# KiCad board pcb.kicad_pcb (continued)
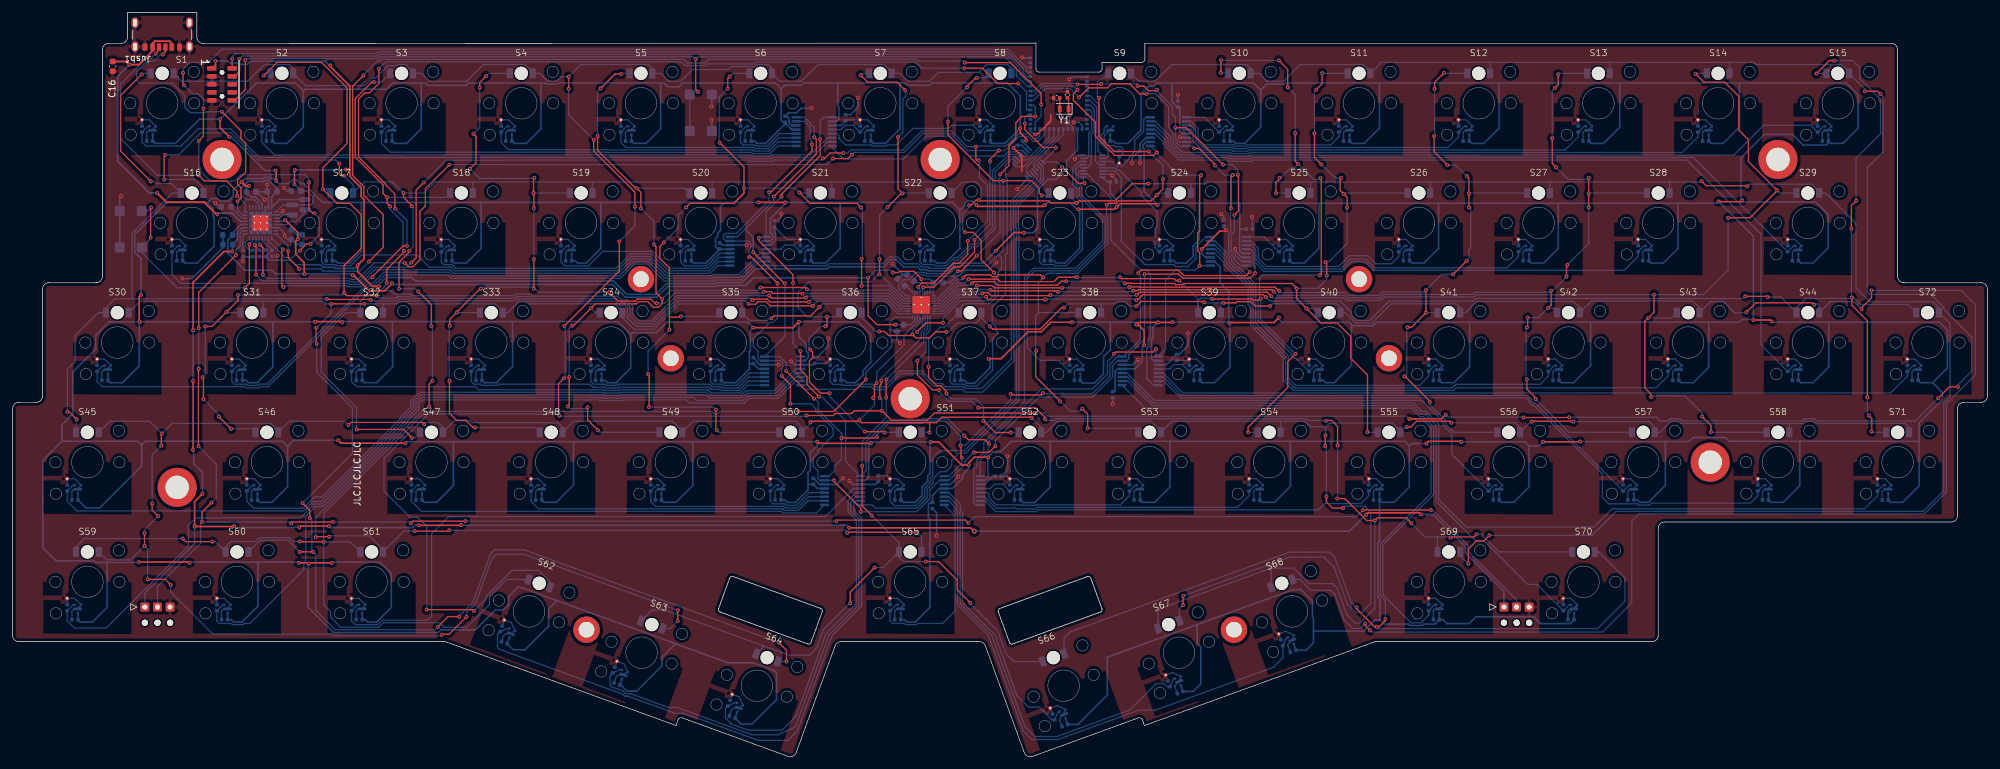
[diagram p0: board, top side]
## Routing (per net, layer and track width the routed paths; a pad name or vN(x,y) marks a point on that pad's centre or on a via; arc(x,y) is an arc through that point) (continued)
/ANA_03: length 70.4
  Bottom w0.2: MUXB1.9 121.45,96.95 120.23,95.72 117.52,95.72 117.33,95.91 115.47,95.91 115.46,95.92 94.33,95.92 94.3,95.95 59.96,95.95 58.55,97.36 Cvout3.1 59.48,100.07 TMR3.1
/ANA_04: length 51.2
  Bottom w0.2: MUXB1.10 121.54,97.6 120.06,96.12 117.69,96.12 117.5,96.31 115.63,96.31 115.62,96.32 94.49,96.32 94.46,96.35 78.72,96.35 77.55,97.53 Cvout4.1 78.48,100.07 TMR4.1
/ANA_05: length 32.2
  Bottom w0.2: TMR5.1 97.48,100.07 Cvout5.1 96.55,97.53 97.35,96.72 115.79,96.72 115.8,96.71 117.67,96.71 117.86,96.52 119.89,96.52 121.62,98.25 MUXB1.11
/ANA_06: length 13.1
  Bottom w0.2: TMR6.1 116.48,100.07 Cvout6.1 115.55,97.53 115.96,97.11 117.83,97.11 118.02,96.92 119.73,96.92 121.7,98.9 MUXB1.12
/ANA_07: length 6.8
  Bottom w0.2: MUXB1.4 131.45,99.55 132.13,100.22 133.47,100.22 Cvout7.1 135.48,100.07 TMR7.1
/ANA_08: length 27.9
  Bottom w0.2: MUXB1.5 130.85,98.9 131.18,98.57 131.18,98.17 132.24,97.11 136.26,97.11 136.45,96.92 138.73,96.92 138.92,97.11 140.28,97.11 142.89,99.72 148.61,99.72 149.12,100.23 152.46,100.23 Cvout8.1 154.48,100.07 TMR8.1
/ANA_09: length 8.6
  Bottom w0.2: Cvout9.1 173.92,96.15 ; 173.92,96.15 173.92,95.34 173.56,94.97 MUXA2.10 ; 173.92,96.15 172.71,97.37 172.71,98.56 173.3,99.15 173.3,99.8 173.57,100.07 TMR9.1
/ANA_10: length 7.7
  Bottom w0.2: MUXB5.9 189.2,101.5 Cvout10.1 192.48,100.07 TMR10.1
/ANA_11: length 29.7
  Bottom w0.2: MUXB5.10 187.1,100.85 188.2,99.75 188.2,98.08 189.17,97.11 193.83,97.11 194.02,96.92 195.73,96.92 195.92,97.11 209.26,97.11 210.55,98.4 Cvout11.1 211.48,100.07 TMR11.1
/ANA_12: length 48.7
  Bottom w0.2: TMR12.1 230.48,100.07 Cvout12.1 229.55,98.4 227.86,96.71 196.08,96.71 195.89,96.52 193.86,96.52 193.67,96.71 189.01,96.71 187.8,97.92 187.8,99.5 187.1,100.2 MUXB5.11
/ANA_13: length 67.8
  Bottom w0.2: MUXB5.12 187.1,99.55 187.4,99.25 187.4,97.75 188.84,96.31 193.5,96.31 193.69,96.12 196.06,96.12 196.25,96.31 246.46,96.31 248.55,98.4 Cvout13.1 249.48,100.07 TMR13.1
/ANA_14: length 92.8
  Bottom w0.2: MUXB5.7 181.37,100.85 183.81,98.41 183.81,97.81 185.71,95.91 193.34,95.91 193.52,95.72 196.23,95.72 196.41,95.91 265.06,95.91 267.55,98.4 Cvout14.1 268.48,100.07 TMR14.1
/ANA_15: length 112.3
  Bottom w0.2: MUXB5.6 181.37,100.2 183.41,98.16 183.41,97.65 185.55,95.51 193.17,95.51 193.36,95.32 196.39,95.32 196.58,95.51 273.27,95.51 277.99,100.22 285.47,100.22 Cvout15.1 287.48,100.07 TMR15.1
/ANA_16: length 104.9
  Bottom w0.2: TMR16.1 26.23,81.07 Cvout16.1 25.3,76.52 26.7,75.12 53.24,75.12 53.39,74.97 55.13,74.97 57.44,77.28 62.9,77.28 62.9,77.28 69.45,77.28 70.02,76.72 96.15,76.72 98.42,78.99 101.08,78.99 103.76,76.31 110.88,76.31 111.1,76.53 113.04,76.53 113.04,76.53 115.3,76.53 118.67,79.9 MUXB2.5
/ANA_17: length 72.6
  Bottom w0.2: MUXB2.9 111.95,77.95 110.71,76.71 103.93,76.71 101.24,79.39 98.26,79.39 95.99,77.12 70.18,77.12 69.6,77.7 66.15,77.7 64.22,79.63 55.37,79.63 53.66,77.92 51.45,77.92 51.26,78.11 49.46,78.11 49.05,78.53 Cvout17.1 49.98,81.07 TMR17.1
/ANA_18: length 52.1
  Bottom w0.2: TMR18.1 68.98,81.07 Cvout18.1 68.05,78.53 68.47,78.1 69.77,78.1 70.35,77.52 95.82,77.52 98.09,79.79 101.46,79.79 104.14,77.12 110.56,77.12 112.04,78.6 MUXB2.10
/ANA_19: length 33.1
  Bottom w0.2: TMR19.1 87.98,81.07 Cvout19.1 87.05,78.53 87.65,77.92 91.42,77.92 93.69,80.19 101.63,80.19 104.3,77.52 110.39,77.52 112.12,79.25 MUXB2.11
/ANA_20: length 12.1
  Bottom w0.2: MUXB2.12 112.2,79.9 110.23,77.92 106.65,77.92 106.05,78.53 Cvout20.1 106.98,81.07 TMR20.1
/ANA_21: length 7.8
  Bottom w0.2: MUXB2.4 121.95,80.55 122.63,81.22 123.97,81.22 Cvout21.1 125.98,81.07 TMR21.1
/ANA_22: length 32.6
  Bottom w0.2: TMR22.1 144.98,81.07 Cvout22.1 144.05,78.53 144.46,78.11 146.33,78.11 146.52,77.92 148.23,77.92 149.47,79.16 149.95,79.16 152.13,81.34 152.13,81.34 152.17,81.38 152.98,81.38 155.56,83.96 155.56,92.96 155.56,92.96 155.56,92.98 158.18,95.6 159.33,95.6 159.59,95.86 159.97,95.86 MUXA1.13
/ANA_23: length 27
  Bottom w0.2: MUXA2.6 169.34,94.47 168.31,93.44 168.31,90.83 168.95,90.19 168.95,88.77 169.82,87.9 169.82,80.52 167.22,77.92 165.53,77.92 165.33,78.11 163.46,78.11 163.05,78.53 Cvout23.1 163.98,81.07 TMR23.1
/ANA_24: length 20.3
  Bottom w0.2: MUXA2.13 174.98,93.47 175.34,93.12 175.67,93.12 179.2,89.59 179.2,89.05 181.68,86.58 181.68,84.1 181.39,83.82 181.39,80.8 Cvout24.1 182.98,81.07 TMR24.1
/ANA_25: length 7.9
  Bottom w0.2: 198.7,82.5 198.78,82.41 ; 198.7,82.5 MUXB6.9 ; 198.7,82.5 198.78,82.41 ; 198.78,82.41 Cvout25.1 201.98,81.07 TMR25.1
/ANA_26: length 30.9
  Bottom w0.2: MUXB6.10 196.6,81.85 197.75,80.7 197.75,79.1 199.04,77.81 210.54,77.81 212.25,79.52 215.12,79.52 216.41,78.22 218.87,78.22 220.05,79.4 Cvout26.1 220.98,81.07 TMR26.1
/ANA_27: length 49.9
  Bottom w0.2: MUXB6.11 196.6,81.2 197.35,80.45 197.35,78.94 198.87,77.41 210.83,77.41 212.4,78.98 214.82,78.98 216.21,77.59 237.24,77.59 239.05,79.4 Cvout27.1 239.98,81.07 TMR27.1
/ANA_28: length 68.9
  Bottom w0.2: TMR28.1 258.98,81.07 Cvout28.1 258.05,79.4 255.84,77.19 216.04,77.19 214.65,78.58 212.57,78.58 211,77.01 198.71,77.01 196.95,78.77 196.95,80.12 196.52,80.55 MUXB6.12
/ANA_29: length 111.2
  Bottom w0.2: MUXB5.5 181.37,99.55 183.01,97.91 183.01,97.48 185.38,95.11 193.01,95.11 193.19,94.92 196.56,94.92 196.74,95.11 266.84,95.11 Cvout29.1 282.73,81.07 TMR29.1
/ANA_30: length 120.8
  Bottom w0.2: TMR30.1 14.35,62.07 Cvout30.1 13.43,59.53 14.24,58.71 36.92,58.71 37.11,58.52 39.14,58.52 39.33,58.71 40.57,58.71 42.56,60.7 42.56,60.7 56.61,74.75 57.37,74.75 59.1,76.48 63.23,76.48 63.23,76.48 69.13,76.48 69.68,75.92 96.48,75.92 98.76,78.19 100.74,78.19 103.43,75.51 111.21,75.51 111.36,75.66 115.57,75.66 118.5,78.6 MUXB2.7
/ANA_31: length 99.4
  Bottom w0.2: TMR31.1 35.73,62.07 Cvout31.1 34.8,59.53 35.21,59.11 37.08,59.11 37.27,58.92 38.98,58.92 39.17,59.11 40.4,59.11 56.44,75.15 57.2,75.15 58.93,76.88 63.06,76.88 63.06,76.88 69.29,76.88 69.85,76.32 96.32,76.32 98.59,78.59 100.91,78.59 103.6,75.91 111.04,75.91 111.2,76.06 115.4,76.06 118.58,79.25 MUXB2.6
/ANA_32: length 70.1
  Bottom w0.2: TMR32.1 54.73,62.07 Cvout32.1 53.8,59.53 54.61,58.71 73.05,58.71 73.05,58.71 73.48,58.71 73.96,58.22 91.97,58.22 91.97,58.22 93.84,58.22 93.94,58.12 96.31,58.12 96.41,58.22 110.4,58.22 110.91,57.72 115.48,57.72 116.7,58.95 MUXB3.9
/ANA_33: length 51.2
  Bottom w0.2: TMR33.1 73.73,62.07 Cvout33.1 72.8,59.53 73.21,59.11 74.27,59.11 74.46,58.92 76.97,58.92 77.17,59.11 91.65,59.11 92.14,58.62 94,58.62 94.11,58.52 95.74,58.52 96.14,58.52 96.24,58.62 106.13,58.62 106.13,58.62 110.57,58.62 110.88,58.31 112.18,58.31 112.37,58.12 115.31,58.12 116.79,59.6 MUXB3.10
/ANA_34: length 32.1
  Bottom w0.2: TMR34.1 92.73,62.07 Cvout34.1 91.8,59.53 92.21,59.11 94.08,59.11 94.27,58.92 95.58,58.92 95.58,58.92 95.98,58.92 96.08,59.03 96.08,59.03 96.17,59.11 110.65,59.11 111.05,58.71 112.34,58.71 112.53,58.52 115.15,58.52 116.87,60.25 MUXB3.11
/ANA_35: length 12.9
  Bottom w0.2: TMR35.1 111.73,62.07 Cvout35.1 110.8,59.53 111.21,59.11 112.51,59.11 112.7,58.92 114.98,58.92 116.96,60.9 MUXB3.12
/ANA_36: length 67.9
  Bottom w0.2: MUXA1.6 162.18,92.24 162.18,91.86 158.47,88.16 158.47,83.6 158.55,83.53 158.55,66.37 158.58,66.35 158.58,65.1 158.55,65.07 158.55,63.09 153.89,58.44 151.19,58.44 151.11,58.52 151.11,58.52 150.92,58.71 148.06,58.71 147.55,59.22 147.55,59.22 146.34,59.22 144.35,61.21 140.87,61.21 139.32,59.66 139.32,59.59 138.39,58.66 136.9,58.66 136.45,59.11 134.17,59.11 133.98,58.92 131.82,58.92 131.65,59.09 130.24,59.09 129.8,59.53 Cvout36.1 130.73,62.07 TMR36.1
/ANA_37: length 47.9
  Bottom w0.2: MUXA1.10 158.91,94.8 158.53,94.8 157.62,93.88 157.62,91.96 157.89,91.69 157.89,79.94 157.62,79.67 157.62,73.47 155.5,71.35 155.5,68.81 156.07,68.24 156.07,67.74 156.44,67.37 156.44,67.21 155.57,66.35 155.57,61.34 153.08,58.84 151.36,58.84 151.27,58.92 151.27,58.92 151.08,59.11 149.21,59.11 148.8,59.53 Cvout37.1 149.73,62.07 TMR37.1
/ANA_38: length 49.4
  Bottom w0.2: TMR38.1 168.73,62.07 Cvout38.1 166.05,62.89 163.11,62.89 161.06,64.94 161.06,75.92 162.26,77.12 165.19,77.12 165.19,77.12 167.75,77.12 167.75,77.12 168.93,77.12 173.46,81.66 173.46,85.39 169.75,89.1 169.75,90.52 169.17,91.09 169.17,92.71 169.44,92.97 MUXA2.3
/ANA_39: length 7.3
  Bottom w0.2: TMR39.1 187.73,62.07 Cvout39.1 185.72,62.22 184.38,62.22 183.7,61.55 MUXB7.4
/ANA_40: length 29.5
  Bottom w0.2: MUXB6.7 190.87,81.85 192.65,80.07 192.65,79.95 193.53,79.07 193.53,78.56 194.54,77.55 194.8,77.55 197.35,74.99 197.35,72.48 197.73,72.11 197.73,69.22 203.03,63.91 203.03,63.66 203.41,63.28 203.66,63.28 Cvout40.1 206.73,62.07 TMR40.1
/ANA_41: length 52.5
  Bottom w0.2: TMR41.1 225.73,62.07 Cvout41.1 224.8,60.4 223.32,58.92 203.68,58.92 202.5,60.1 202.5,63.63 197.33,68.8 197.33,71.94 196.95,72.32 196.95,74.83 194.63,77.15 194.38,77.15 193.13,78.4 193.13,78.91 192.25,79.79 192.25,79.82 190.87,81.2 MUXB6.6
/ANA_42: length 71.5
  Bottom w0.2: MUXB6.5 190.87,80.55 192.73,78.69 192.73,78.23 194.21,76.75 194.46,76.75 196.55,74.66 196.55,71.97 196.93,71.59 196.93,68.64 202.1,63.47 202.1,59.94 203.51,58.52 228.56,58.52 228.96,58.92 228.98,58.92 229.15,59.09 242.49,59.09 243.8,60.4 Cvout42.1 244.73,62.07 TMR42.1
/ANA_43: length 90.6
  Bottom w0.2: TMR43.1 263.73,62.07 Cvout43.1 262.8,60.4 260.94,58.54 229.17,58.54 229.14,58.52 229.13,58.52 228.73,58.12 203.35,58.12 201.69,59.77 201.69,63.3 196.53,68.47 196.53,71.42 196.15,71.8 196.15,74.5 194.3,76.35 194.05,76.35 192.33,78.07 192.33,78.45 190.87,79.9 MUXB6.4
/ANA_44: length 129
  Bottom w0.2: TMR44.1 282.73,62.07 Cvout44.1 277.55,65.39 277.55,82.96 265.81,94.71 196.91,94.71 196.72,94.52 193.03,94.52 192.84,94.71 185.22,94.71 182.61,97.31 182.61,97.66 181.37,98.9 MUXB5.4
/ANA_45: length 130.6
  Bottom w0.2: MUXB3.5 124.38,60.9 121.14,57.66 116.55,57.66 115.81,56.92 110.57,56.92 110.07,57.42 96.74,57.42 96.64,57.32 95.98,57.32 93.61,57.32 93.51,57.42 91.64,57.42 91.64,57.42 64.82,57.42 64.6,57.21 64.49,57.21 63.65,56.36 63.65,55.35 61.85,53.55 61.85,53.36 48.98,40.48 47.75,40.48 46.26,38.99 10.21,38.99 8.68,40.53 Cvout45.1 9.6,43.07 TMR45.1
/ANA_46: length 102
  Bottom w0.2: MUXB3.4 124.38,61.55 120.89,58.06 116.39,58.06 115.64,57.32 110.74,57.32 110.24,57.82 96.58,57.82 96.48,57.72 96.14,57.72 93.77,57.72 93.67,57.82 91.8,57.82 91.8,57.82 64.65,57.82 64.43,57.61 64.33,57.61 63.25,56.52 63.25,55.51 61.45,53.72 61.45,53.52 49.13,41.21 47.91,41.21 46.12,39.42 38.28,39.42 37.17,40.53 Cvout46.1 38.1,43.07 TMR46.1
/ANA_47: length 70.1
  Bottom w0.2: MUXB4.9 127.61,38.67 122.33,38.67 122.08,38.91 64.91,38.91 63.3,40.53 Cvout47.1 64.23,43.07 TMR47.1
/ANA_48: length 51
  Bottom w0.2: TMR48.1 83.23,43.07 Cvout48.1 82.3,40.53 83.51,39.31 122.25,39.31 122.49,39.07 124.76,39.07 126.29,40.6 MUXB4.10
/ANA_49: length 32
  Bottom w0.2: TMR49.1 102.23,43.07 Cvout49.1 101.3,40.47 102.06,39.71 122.42,39.71 122.66,39.47 124.59,39.47 126.37,41.25 MUXB4.11
/ANA_50: length 12.9
  Bottom w0.2: MUXB4.12 126.46,41.9 124.43,39.87 122.83,39.87 122.58,40.11 120.71,40.11 120.3,40.53 Cvout50.1 121.23,43.07 TMR50.1
/ANA_51: length 72.2
  Bottom w0.2: TMR51.1 140.23,43.07 Cvout51.1 139.3,40.53 139.99,39.84 143.4,39.84 144.8,41.25 144.8,42.63 145.7,43.53 145.7,44.22 146.07,44.59 146.07,47.35 147.31,48.58 151.15,48.58 159.35,56.78 159.35,64.74 159.38,64.77 159.38,66.68 159.35,66.7 159.35,83.86 159.27,83.94 159.27,87.69 163.24,91.65 163.24,93.3 MUXA1.3
/ANA_52: length 7
  Bottom w0.2: MUXB8.4 155.2,42.55 155.88,43.22 157.22,43.22 Cvout52.1 159.23,43.07 TMR52.1
/ANA_53: length 27.8
  Bottom w0.2: TMR53.1 178.23,43.07 Cvout53.1 177.3,41.4 175.86,39.96 162.52,39.96 162.43,39.88 160.25,39.88 160.17,39.96 156.14,39.96 155,41.1 155,41.65 154.75,41.9 MUXB8.5
/ANA_54: length 46.7
  Bottom w0.2: 158.96,39.56 158.82,39.42 156.11,39.42 154.28,41.25 MUXB8.6 ; TMR54.1 197.23,43.07 Cvout54.1 196.3,41.4 194.46,39.56 162.68,39.56 162.43,39.31 159.34,39.31 159.08,39.56
/ANA_55: length 65.8
  Bottom w0.2: TMR55.1 216.23,43.07 Cvout55.1 215.3,41.4 214.05,40.15 208.3,40.15 207.32,39.16 194.63,39.16 194.63,39.16 162.85,39.16 162.57,38.88 156.06,38.88 154.35,40.6 MUXB8.7
/ANA_56: length 69.8
  Bottom w0.2: MUXB7.12 176.87,60.9 181.25,56.52 223.75,56.52 227.08,53.19 227.08,52.61 228.48,51.21 228.48,47.96 Cvout56.1 235.23,43.07 TMR56.1
/ANA_57: length 83
  Bottom w0.2: TMR57.1 256.6,43.07 Cvout57.1 241.73,56.08 241.54,56.08 241.16,56.46 241.16,56.66 240.5,57.32 185.61,57.32 182.68,60.25 MUXB7.6
/ANA_58: length 108.6
  Bottom w0.2: MUXB7.7 182.77,59.6 185.45,56.92 240.33,56.92 240.76,56.49 240.76,56.3 241.38,55.68 241.57,55.68 252.37,44.88 252.37,41.1 253.36,40.11 257.96,40.11 258.15,39.92 259.85,39.92 260.15,40.22 275.87,40.22 277.05,41.4 Cvout58.1 277.98,43.07 TMR58.1
/ANA_59: length 139.8
  Bottom w0.2: MUXB3.6 124.38,60.25 121.39,57.26 116.72,57.26 115.97,56.52 108.63,56.52 108.13,57.02 96.91,57.02 96.81,56.92 93.44,56.92 93.34,57.02 91.47,57.02 64.98,57.02 64.76,56.81 64.66,56.81 64.05,56.19 64.05,55.32 64.07,55.29 64.07,55.21 62.25,53.39 62.25,53.19 49.14,40.08 47.92,40.08 45.71,37.87 29.08,37.87 27.91,36.7 27.91,33.42 27.9,33.42 14.87,20.39 9.81,20.39 8.68,21.53 Cvout59.1 9.6,24.07 TMR59.1
/ANA_60: length 118.2
  Bottom w0.2: TMR60.1 33.35,24.07 Cvout60.1 32.42,21.53 32.84,21.11 34.71,21.11 34.9,20.92 36.6,20.92 36.79,21.11 37.68,21.11 46.24,29.67 46.24,30.78 46.53,31.07 46.53,38.13 48.08,39.68 49.31,39.68 62.65,53.03 62.65,53.22 64.47,55.04 64.47,55.46 64.45,55.49 64.45,56.03 64.83,56.41 64.93,56.41 65.15,56.62 91.31,56.62 91.31,56.62 93.14,56.62 93.24,56.52 93.27,56.52 93.28,56.52 96.97,56.52 97.07,56.62 106.96,56.62 107.46,56.12 116.14,56.12 116.88,56.86 121.56,56.86 124.29,59.6 MUXB3.7
/ANA_61: length 100.9
  Bottom w0.2: TMR61.1 54.73,24.07 Cvout61.1 53.8,21.53 54.41,20.91 57.97,20.91 58.68,21.62 65.89,21.62 66.52,22.25 66.52,35.36 69.24,38.08 129.05,38.08 133.51,42.55 MUXB4.4
/ANA_62: length 97.1
  Bottom w0.2: MUXB4.7 133.88,40.6 133.57,40.3 133.57,39.02 134.78,37.81 134.78,23.9 130.11,19.22 124.6,4.09 123.04,2.53 118.39,2.53 106.51,6.86 106.5,6.87 105.11,6.87 97.72,9.56 97.18,9.56 ; 96.87,9.87 97.18,9.56 ; 97.18,9.56 96.86,9.87 77.23,17.02 76.98,17.27 76.98,19.39 Cvout62.1 78.59,20.37 TMR62.1 ; 97.18,9.56 97.73,9.56
/ANA_63: length 76
  Bottom w0.2: 117.33,3.46 105.45,7.78 105.44,7.78 104.09,7.78 98.09,9.96 97.34,9.96 96.92,10.39 95.14,11.03 94.85,11.32 94.85,12.84 Cvout63.1 96.47,13.82 TMR63.1 ; MUXB4.6 133.88,41.25 133.04,40.41 133.04,38.99 134.35,37.68 134.35,24.08 129.61,19.35 129.61,19.32 124.3,4.73 121.53,3.44 117.35,3.44
/ANA_64: length 56.6
  Bottom w0.2: TMR64.1 114.77,8.57 Cvout64.1 113.15,7.59 113.15,6.13 113.92,5.36 113.92,5.21 116.78,4.16 122.14,4.16 124.37,6.39 129.16,19.54 133.95,24.33 133.95,37.51 132.64,38.82 132.64,40.66 133.88,41.9 MUXB4.5
/ANA_65: length 32.2
  Bottom w0.2: TMR65.1 140.23,24.07 Cvout65.1 139.3,21.53 139.71,21.11 141.58,21.11 141.77,20.92 143.48,20.92 143.67,21.11 147.64,21.11 149.62,23.09 149.62,38.22 MUXB8.9
/ANA_66: length 45.8
  Bottom w0.2: 158.62,11.91 155.93,19.3 150.82,24.41 150.82,38.71 150.43,39.1 150.43,40.09 148.62,41.9 MUXB8.12 ; 158.62,11.9 159.44,9.65 159.45,9.65 161.28,7.82 162.98,7.82 164.97,5.83 Cvout66.1 165.97,7.02 TMR66.1
/ANA_67: length 68.9
  Bottom w0.2: MUXB8.11 148.62,41.25 149.87,40 149.87,39.1 150.42,38.55 150.42,24.25 155.41,19.25 160.7,4.73 162.27,3.16 165.78,3.16 177.34,7.37 178.85,8.88 178.85,8.88 181.54,11.57 182.78,11.57 183.27,11.08 Cvout67.1 184.27,12.27 TMR67.1
/ANA_68: length 88.8
  Bottom w0.2: TMR68.1 202.22,18.82 Cvout68.1 201.66,15.67 200.16,14.17 181.41,7.34 178.75,7.34 165.94,2.68 161.81,2.68 160.4,4.09 154.9,19.2 150.02,24.08 150.02,38.38 149.47,38.93 149.47,39.75 148.62,40.6 MUXB8.10
/ANA_69: length 94.1
  Bottom w0.2: MUXB7.9 179.77,55.32 222.07,55.32 223.45,53.94 223.97,53.94 225.59,52.32 225.59,41.6 217.54,33.56 217.54,25.66 220.26,22.94 220.28,22.94 222,21.22 223.62,21.22 224.8,22.4 Cvout69.1 225.73,24.07 TMR69.1
/ANA_70: length 93.8
  Bottom w0.2: MUXB7.10 177.04,59.6 180.92,55.72 222.24,55.72 223.62,54.34 224.23,54.34 225.99,52.58 225.99,40.5 232.26,34.22 233.62,34.22 240.54,27.31 242.01,27.31 Cvout70.1 247.1,24.07 TMR70.1
/ANA_71: length 141.2
  Bottom w0.2: TMR71.1 296.98,43.07 Cvout71.1 296.05,41.4 293.96,39.31 253.92,39.31 251.03,36.42 230.74,36.42 226.39,40.77 226.39,52.75 224.35,54.79 223.73,54.79 222.4,56.12 181.09,56.12 176.96,60.25 MUXB7.11
/ANA_72: length 123.7
  Bottom w0.2: TMR72.1 301.73,62.07 Cvout72.1 300.8,60.4 298.12,57.72 185.78,57.72 182.6,60.9 MUXB7.5
/CS0: length 121
  Top w0.2: v1(172.44,104.59) 172.44,98.52 174.91,96.05 v1(180.4,96.05) ; v1(166.32,56.39) 162.41,60.3 162.41,64.36 v1(162.48,64.44) ; v1(150.93,76.03) 151.39,76.48 155.23,76.48 155.53,76.19 156.22,76.19 156.51,76.48 163.19,76.48 v1(163.62,76.06) ; v1(170.66,52.11) 170.66,54.36 v1(169.81,55.21) ; v1(182.61,91.68) 182.61,90.1 v1(181.66,89.15) 180.74,88.23 175.57,88.23 175.16,87.82 173.93,87.82 v1(173.68,87.57)
  Bottom w0.2: v1(169.81,55.21) 169.42,54.82 167.89,54.82 v1(166.32,56.39) ; v1(170.66,52.11) 178.06,52.11 D53.1 ; 162.84,70.46 162.41,70.03 162.41,64.51 v1(162.48,64.44) ; 162.84,70.46 162.85,70.47 D38.1 ; 162.84,70.46 162.84,75.28 164.28,76.72 165.02,76.72 165.03,76.72 167.91,76.72 167.92,76.72 169.09,76.72 173.86,81.49 173.86,85.56 173.68,85.74 v1(173.68,87.57) ; D9.1 172.98,107.5 172.6,107.5 172.21,107.11 172.21,104.82 v1(172.44,104.59) ; v1(181.66,89.15) 181.98,89.47 D24.1 ; v1(182.61,91.68) 182.61,93.84 v1(180.4,96.05) ; v1(150.93,76.03) 150.59,75.68 149.83,75.68 146.87,72.72 LEDDR1.2
/CS1: length 159.8
  Top w0.2: v1(185.22,75.56) 184.69,75.56 184.38,75.87 176.02,75.87 v1(175.8,76.09) ; v1(204.08,94.07) 203.61,94.54 v1(203.61,98.96) ; v1(191.86,110.6) 191.81,110.55 v1(191.81,108.57) ; v1(202.42,106.26) 202.42,109.12 v1(201.01,110.53) ; v1(168.95,76.1) 166.02,76.1 165.32,75.4 156.76,75.4 156.37,75.79 151.76,75.79 v1(151.75,75.8) ; v1(201.14,91.87) 201.14,91.7 200.55,91.11 v1(200.55,89.42) ; v1(203.68,63.93) 202.43,62.68 202.43,58.57 196.14,52.28 v1(196.14,51.46) ; v1(198.13,72.69) 197.9,72.47 196.93,72.47 196.76,72.64 v1(190.43,72.64) ; v1(207.63,91.87) 207.75,91.76 207.75,76.64 v1(207.51,76.4)
  Bottom w0.2: v1(207.63,91.87) 207.39,91.63 206.52,91.63 v1(204.08,94.07) 203.41,93.41 202.84,93.41 201.31,91.87 v1(201.14,91.87) ; v1(207.51,76.4) 207.44,76.46 198.46,76.46 197.96,75.96 197.96,72.86 v1(198.13,72.69) 198.13,69.4 203.59,63.93 v1(203.68,63.93) ; v1(200.55,89.42) 200.6,89.47 D25.1 ; v1(190.43,72.64) 190.31,72.76 188.61,72.76 188.2,72.35 D39.1 188.2,72.58 v1(185.22,75.56) ; D54.1 196.15,51.47 v1(196.14,51.46) ; v1(168.95,76.1) 169.01,76.04 175.75,76.04 v1(175.8,76.09) ; v1(151.75,75.8) 151.18,75.22 149.93,75.22 147.03,72.32 LEDDR1.3 ; v1(201.01,110.53) 191.93,110.53 v1(191.86,110.6) ; v1(202.42,106.26) 203.61,105.07 v1(203.61,98.96) ; v1(191.81,108.57) 192.85,108.57
/CS2: length 150.6
  Top w0.2: v1(208.61,76.36) 208.61,78.4 208.55,78.46 v1(208.4,78.46) ; v1(152.32,75.16) 152.54,75.39 155.82,75.39 156.37,74.83 165.86,74.83 166.48,75.45 v1(167.26,75.45) ; v1(206.95,105.87) 207.9,106.82 v1(207.9,108.51) ; v1(206.67,98.96) 206.67,95.11 v1(207.77,94.01) ; v1(176.59,75.1) 177.01,75.1 177.07,75.16 177.61,75.16 177.67,75.1 184.45,75.1 184.64,74.91 185.8,74.91 185.99,75.1 203.06,75.1 v1(203.83,74.33) 203.83,72.71 v1(205.4,71.14) 207.72,68.82 210.3,68.82 212.41,66.71 212.41,63.24 215.09,60.56 v1(215.09,51.5) ; v1(210.9,91.87) 210.9,91.81 210.75,91.66 210.75,89.89 v1(211.31,89.33) 211.85,88.79 v1(211.85,87.12)
  Bottom w0.2: v1(211.31,89.33) 211.45,89.47 D26.1 ; v1(207.9,108.51) 207.94,108.47 D11.1 ; v1(207.77,94.01) 209.74,92.04 209.98,92.04 210.23,91.79 210.88,91.79 210.9,91.81 v1(210.9,91.87) ; D40.1 206.53,71.14 v1(205.4,71.14) ; v1(215.09,51.5) 215.12,51.47 D55.1 ; v1(206.95,105.87) 206.67,105.59 v1(206.67,98.96) ; v1(167.26,75.45) 176.24,75.45 v1(176.59,75.1) ; v1(211.85,87.12) 211.85,81.43 209.02,78.6 208.54,78.6 v1(208.4,78.46) ; LEDDR1.4 147.21,71.92 149.25,73.96 149.25,73.97 150.1,74.82 151.98,74.82 v1(152.32,75.16) ; v1(203.83,74.33) 207.22,74.33 208.61,75.72 v1(208.61,76.36)
/CS3: length 172.6
  Top w0.2: v1(166.63,74.41) 155.83,74.41 155.47,74.77 v1(153.07,74.77) ; v1(201.06,73.96) 200.97,73.96 200.41,74.52 196.46,74.52 196.46,74.51 178.9,74.51 178.84,74.57 177.32,74.57 v1(177.3,74.55) ; v1(230.85,92.15) 231.19,91.81 v1(231.19,89.38) v1(231.19,87.17) ; v1(227.79,93.9) 225.67,96.02 v1(225.67,98.54) ; v1(224.99,56.27) 224.99,56.42 221.05,60.36 v1(220.94,60.36) ; v1(230.82,78.69) v1(228.68,76.55) ; v1(227.25,108.55) 225.74,107.04 v1(225.74,106.01) ; v1(221.44,68.15) 222.06,68.15 v1(224.37,70.46) 224.37,74.03 v1(224.36,74.04)
  Bottom w0.2: v1(220.94,60.36) 221.04,60.36 221.32,60.64 221.32,68.03 v1(221.44,68.15) ; D41.1 224.38,70.47 v1(224.37,70.46) ; v1(225.67,98.54) 225.74,98.61 v1(225.74,106.01) ; D12.1 227.33,108.47 v1(227.25,108.55) ; D27.1 231.28,89.47 v1(231.19,89.38) ; v1(224.99,56.27) 224.99,55.85 227.48,53.36 227.48,52.78 228.78,51.47 D56.1 ; v1(201.06,73.96) 201.35,73.67 211.6,73.67 212.06,73.21 216.87,73.21 217.42,73.77 224.08,73.77 v1(224.36,74.04) 226.87,76.55 v1(228.68,76.55) ; v1(227.79,93.9) 229.1,93.9 v1(230.85,92.15) ; v1(177.3,74.55) 177.3,74.47 177.24,74.41 v1(166.63,74.41) ; LEDDR1.5 147.37,71.52 149.56,73.71 149.56,73.71 150.02,74.17 152.47,74.17 v1(153.07,74.77) ; v1(231.19,87.17) 231.31,87.17 231.48,87 231.48,80.75 231.19,80.46 231.19,79.06 v1(230.82,78.69)
/CS4: length 196.4
  Top w0.2: v1(155.25,74.07) 155.4,73.92 165.84,73.92 v1(165.98,73.78) ; v1(245.36,108.32) 245.36,106.67 v1(244.82,106.13) ; v1(243.78,71.22) 244.25,71.69 v1(244.25,73.96) ; v1(250.2,87.17) v1(250.2,89.38) v1(250.2,91.87) ; v1(246.84,78.09) 246.68,77.93 v1(246.68,76.19) ; v1(177.92,73.97) 178.54,73.97 178.69,74.11 196.62,74.11 196.63,74.12 199.93,74.12 v1(200.22,73.82) ; v1(244.42,98.19) 244.42,94.16 v1(245.04,93.54) ; v1(241.81,56.73) 241.86,56.78 241.86,56.9 240.38,58.37 v1(240.38,59.86) ; v1(240.39,68.12) 240.52,68.25 v1(240.52,69.68)
  Bottom w0.2: v1(250.2,89.38) 250.29,89.47 D28.1 ; v1(244.82,106.13) 244.42,105.73 v1(244.42,98.19) ; v1(250.2,87.17) 250.2,81.45 v1(246.84,78.09) ; D13.1 245.51,108.47 v1(245.36,108.32) ; v1(240.39,68.12) 240.24,67.97 240.24,60 v1(240.38,59.86) ; v1(177.92,73.97) 177.75,73.8 166,73.8 v1(165.98,73.78) ; v1(250.2,91.87) 249.95,91.62 246.96,91.62 v1(245.04,93.54) ; v1(240.52,69.68) 242.24,69.68 v1(243.78,71.22) 244.45,71.22 D42.1 ; v1(241.81,56.73) 247.07,51.47 D57.1 ; v1(155.25,74.07) 155.19,74.13 153.61,74.13 153.25,73.77 150.19,73.77 147.54,71.12 LEDDR1.6 ; v1(200.22,73.82) 200.82,73.22 211.48,73.22 211.89,72.81 217.04,72.81 217.59,73.36 231.82,73.36 232.17,73.71 244.24,73.71 244.25,73.72 v1(244.25,73.96) 244.49,73.96 246.68,76.15 v1(246.68,76.19)
/CS5: length 224.3
  Top w0.2: v1(153.92,73.52) 154.06,73.66 154.81,73.66 155.3,73.17 164.66,73.17 v1(164.76,73.27) ; v1(199.77,73.1) 199.16,73.72 196.79,73.72 196.79,73.71 178.85,73.71 v1(178.43,73.3) ; v1(267.17,108.4) 268.5,107.07 271.79,107.07 274.05,104.81 274.05,99.46 275.56,97.95 275.56,94.47 v1(280.15,89.88) 275.82,85.55 v1(272.34,85.55) ; v1(260.57,73.33) 260.57,70.56 v1(259.65,69.64) 259.11,69.1 259.11,58.52 260.12,57.52 v1(260.12,57.07) ; v1(269.62,51.5) 269.62,52.56 v1(268.23,53.96)
  Bottom w0.2: v1(268.23,53.96) 268.23,54.5 265.47,57.25 260.19,57.25 260.12,57.18 v1(260.12,57.07) ; D58.1 269.65,51.47 v1(269.62,51.5) ; D29.1 280.56,89.47 v1(280.15,89.88) ; 149.82,72.84 149.98,73 ; 149.82,72.84 150.35,73.37 153.77,73.37 v1(153.92,73.52) ; 149.82,72.84 147.7,70.72 LEDDR1.7 ; 149.98,73 150.29,73.31 149.98,73 ; v1(164.76,73.27) 164.86,73.17 178.39,73.17 178.43,73.22 v1(178.43,73.3) ; v1(199.77,73.1) 200.05,72.82 211.32,72.82 211.73,72.41 217.2,72.41 217.75,72.96 231.99,72.96 232.34,73.31 250.51,73.31 250.53,73.33 v1(260.57,73.33) 268.42,73.33 272.34,77.25 v1(272.34,85.55) ; v1(259.65,69.64) 263.37,69.64 D43.1 ; D14.1 267.24,108.47 v1(267.17,108.4)
/CS6: length 239.6
  Top w0.2: v1(292.69,88.26) 291.91,87.48 v1(291.91,83.8) ; v1(294.44,57.05) 294.44,69.18 291.98,71.64 v1(291.98,72.88) ; v1(289.24,110.5) 288.42,110.5 v1(286.35,108.43) ; v1(278.62,72.95) 278.51,73.06 v1(275.06,73.06) ; v1(295.11,51.58) 295.14,51.61 295.14,53.7 v1(294.72,54.12) ; v1(163.94,72.55) 154.86,72.55 154.54,72.87 v1(154.54,73.01) ; v1(178.38,72.47) 178.55,72.47 179.39,73.31 196.95,73.31 196.96,73.32 198.57,73.32 v1(198.94,72.95)
  Bottom w0.2: v1(291.98,72.88) 291.84,72.74 284.67,72.74 283.2,71.27 D44.1 280.72,72.95 v1(278.62,72.95) ; v1(291.98,72.88) 292.22,72.88 293.33,71.78 300.89,71.78 D72.1 ; v1(291.98,72.88) 291.91,72.96 v1(291.91,83.8) ; v1(178.38,72.47) 178.24,72.62 164.01,72.62 v1(163.94,72.55) ; v1(275.06,73.06) 274.72,72.72 232.31,72.72 231.88,72.29 218.51,72.29 215.45,69.23 214.63,69.23 214.62,69.22 213.38,69.22 212.5,70.1 212.5,70.56 210.77,72.29 199.59,72.29 v1(198.94,72.95) ; v1(286.35,108.43) 286.39,108.47 D15.1 ; v1(294.44,57.05) 294.44,54.4 v1(294.72,54.12) ; 146.24,70.32 147.87,70.32 150.46,72.91 154.44,72.91 v1(154.54,73.01) ; v1(295.11,51.58) 295.22,51.47 D71.1 ; v1(289.24,110.5) 292.1,110.5 293.25,109.35 293.25,107.63 296.53,104.35 296.53,98.88 292.63,94.98 292.63,88.32 v1(292.69,88.26)
